# Altium PCB Mynd_BT.PcbDoc (part 1 of 2) (continued)
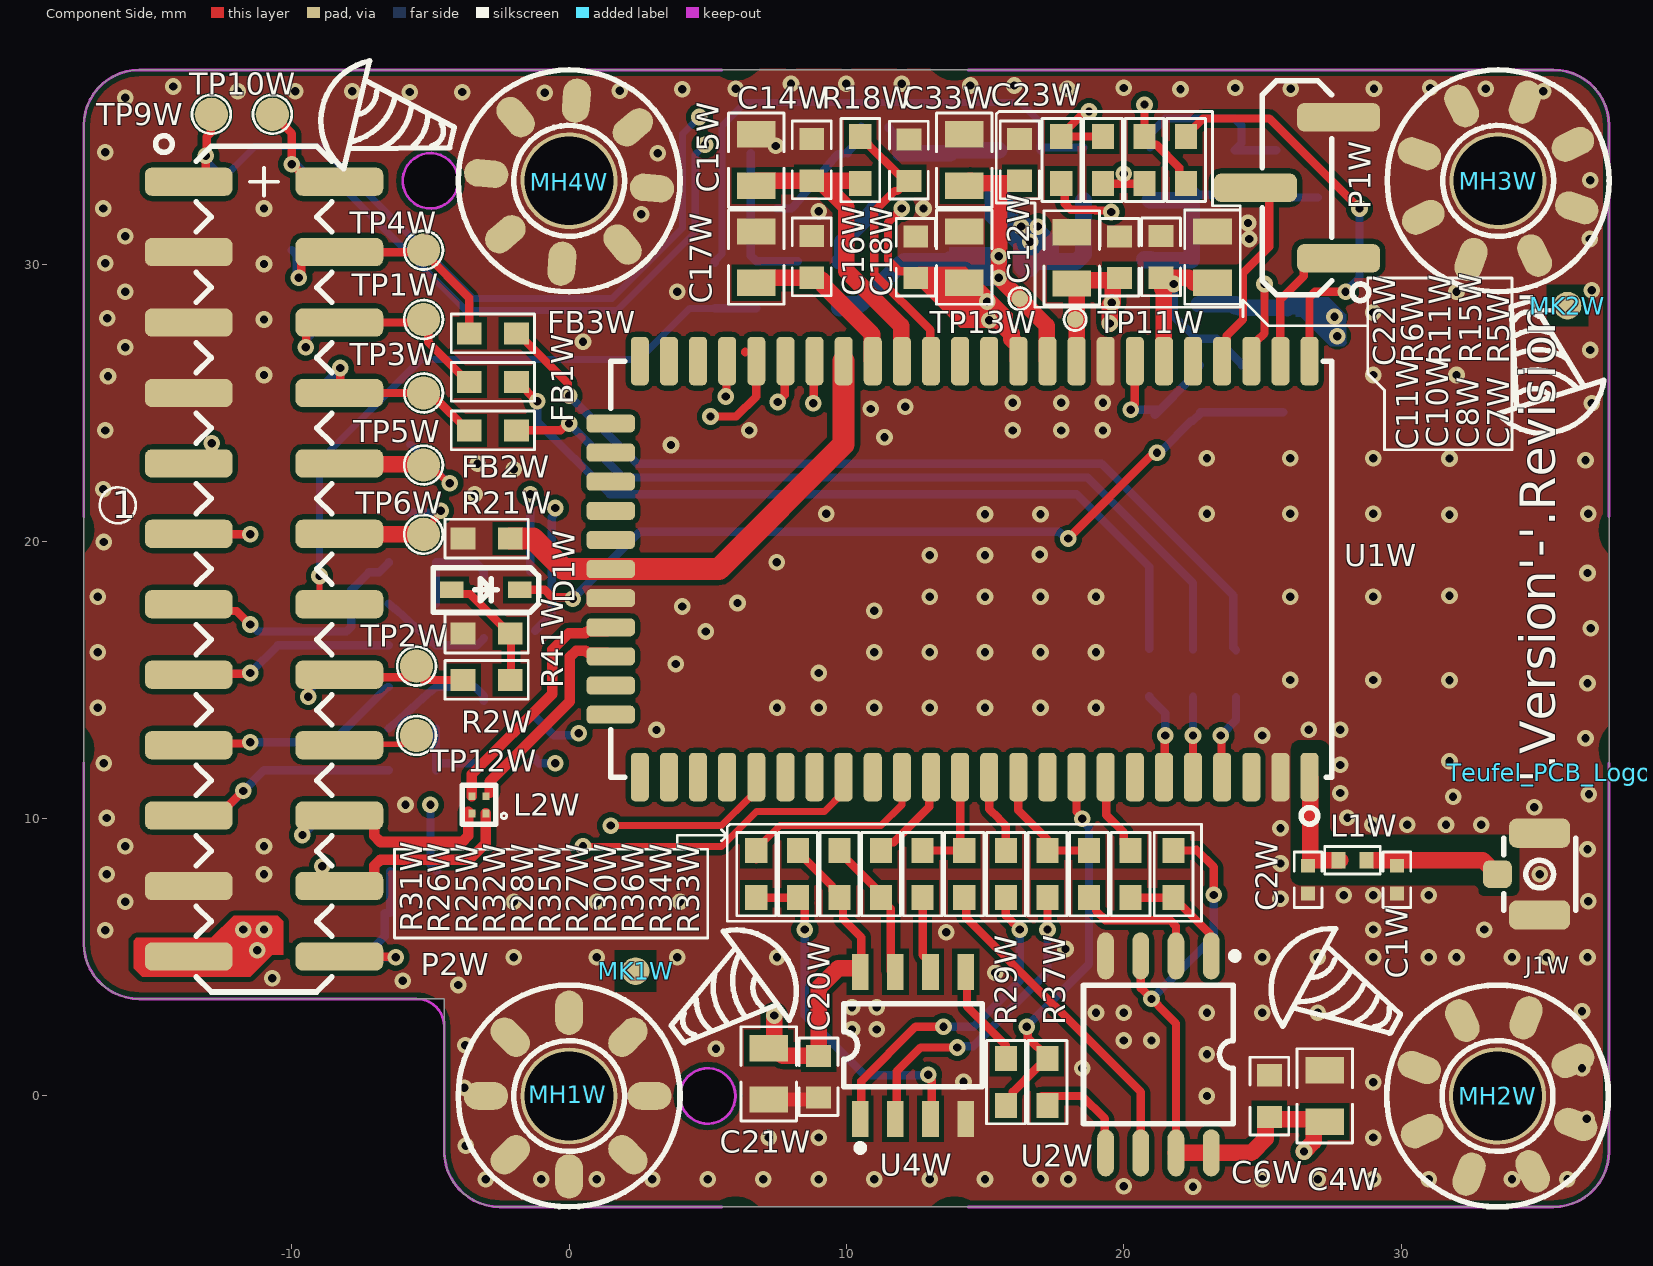
[diagram p0: Component Side view]
## Design rules (kind name [scope] priority, off if disabled: settings) (continued)
HoleSize [All] p1: absolutevalues=TRUE maxlimit=8 minlimit=0.25 maxpercent=80.000 minpercent=20.000
PlaneClearance [All] p1: clearance=0.3
PlaneConnect [All] p1: planeconnectstyle=Relief reliefexpansion=0.508 reliefentries=4 reliefconductorwidth=0.5 reliefairgap=0.254
PolygonConnect [All] p1: connectstyle=Direct reliefconductorwidth=0.5 reliefentries=4 polygonreliefangle="45 Angle" airgapwidth=0.254
PolygonConnect PolygonConnect_direct_stepup [All] p2 off: connectstyle=Direct reliefconductorwidth=0.254 reliefentries=4 polygonreliefangle="90 Angle" airgapwidth=0.254 // Protel DXP Scope 1 Expression Was: (InNet('NETC548_1') AND IsNamedPolygon('BOT_STEPUP_L502OUT')) OR (InNet('NetL502_1') AND IsNamedPolygon('BOT_STEPUP_L502IN')) OR     (InNet('NetC504_2') AND IsNamedPolygon('BOT_STEPUP_IN')) OR   (InNet('24V') AND IsNamedPolygon('BOT_STEPUP_24VOUT')) OR (InNet('GND') AND (IsNamedPolygon('BOT_STEPUP_GND') OR                     IsNamedPolygon('BOT_GLOBAL_GND') OR                                    IsNamedPolygon('TOP_GLOBAL_GND')                   ) )
PolygonConnect PolygonConnect_VIA [All] p3 off: connectstyle=Direct reliefconductorwidth=0.2 reliefentries=4 polygonreliefangle="90 Angle" airgapwidth=0.254 // Protel DXP Scope 1 Expression Was: isVia  or HasFootprint('HOLE_3.2_6.0') or  HasFootprint('CAPPR750W80D1600H2500') or HasFootprint('JST_B6P-VH-FB-B') or HasFootprint('JST_B2P-VH-FB-B') or HasFootprint('TE_1734366-3')
PolygonConnect PolygonConnect_direct [All] p4 off: connectstyle=Direct reliefconductorwidth=0.254 reliefentries=4 polygonreliefangle="90 Angle" airgapwidth=0.254 // Protel DXP Scope 1 Expression Was: InNet('OUT_A') or InNet('OUT_B') or InNet('OUT_C') or InNet('OUT_D') or InNet('SW1_N') or InNet('SW1_P') or InNet('SW2_N') or InNet('SW2_P') or InNet('NetC500_1') or InNet('NetC500_2') or IsNamedPolygon('BOTTOM_-5V_GND') or IsNamedPolygon('BOTTOM_5V_GND') or IsNamedPolygon('BOTTOM_3V3_GND') or IsNamedPolygon('TOP_24V') or IsNamedPolygon('BOT_5VChg_SW_Node') or ((InNet('41V')) and IsSMTPin)
PolygonConnect PolygonConnect_GND_RC_1 [All] p5 off: connectstyle=Relief reliefconductorwidth=0.5 reliefentries=4 polygonreliefangle="90 Angle" airgapwidth=0.254 // Protel DXP Scope 1 Expression Was: IsNamedPolygon('GND_RC_1')
RoutingVias [All] p1: holewidth=0.3 width=0.7 viastyle="Through Hole" minholewidth=0.25 minwidth=0.5 maxholewidth=6 maxwidth=8
ShortCircuit ShortCircuit_Antenna [InNet('ANTENNA')] p2: allowed=TRUE
SilkToSolderMaskClearance [All] p1 off: minsilkscreentomaskgap=0.254 clearancetoexposedcopper=TRUE // Protel DXP Scope 1 Expression Was: IsPad
SolderMaskExpansion [All] p1: expansion=0.102 istentingtop=FALSE
SupplyNets "Schematic Supply Nets_10" [InNet('BT_SVCC')] p1: voltage=0.000
SupplyNets "Schematic Supply Nets_9" [InNet('VSys')] p2: voltage=0.000
SupplyNets "Schematic Supply Nets_8" [InNet('BT_VBAT')] p3: voltage=0.000
SupplyNets "Schematic Supply Nets_7" [InNet('5V_CCPD')] p4: voltage=0.000
SupplyNets "Schematic Supply Nets_6" [InNet('BT_VBUS')] p5: voltage=0.000
SupplyNets "Schematic Supply Nets_5" [InNet('BT_VCC')] p6: voltage=0.000
SupplyNets "Schematic Supply Nets_4" [InNet('BT_AVCC')] p7: voltage=0.000
SupplyNets "Schematic Supply Nets_3" [InNet('GND')] p8: voltage=0.000
SupplyNets "Schematic Supply Nets_2" [InNet('BT_RTCVDD')] p9: voltage=0.000
SupplyNets "Schematic Supply Nets_1" [InNet('AGND')] p10: voltage=0.000
SupplyNets "Schematic Supply Nets" [InNet('3V3_STB')] p11: voltage=0.000
Width [All] p1: maxlimit=20 minlimit=0.192 preferedwidth=0.2
17 further rules are at their usual default settings.

## Classes and differential pairs
net class I2S_Lines: BT_2_BCLK BT_2_LRCK BT_2_SDAT NetFB1W_2 NetFB2W_2 NetFB3W_2 NetR1W_1 NetR3W_1 NetR4W_1

## Components (designator, comment, footprint, x,y, rotation, side; value= is the part's Value field where it differs from the comment)
C1W "0.5pF" C0402 29.85,7.8 r270 top
C2W "0.5pF" C0402 26.65,7.8 r270 top
C3W "10uF" C0805_145 -2.35,18.75 r180 bottom
C4W "10uF" C0805_145 27.25,0 r270 top
C5W "10uF" C0805_145 -2.35,14.1 r180 bottom
C6W "100nF" C0603X100 25.25,0 r270 top
C7W "10uF" C0805_145 23.2,30.25 r90 top
C8W "100nF" C0603X100 21.35,30.25 r90 top
C10W "100nF" C0603X100 19.85,30.25 r270 top
C11W "10uF" C0805_145 18.125,30.225 r270 top
C12W "10uF" C0805_145 14.25,30.25 r270 top
C14W "100nF" C0603X100 8.75,33.75 r90 top
C15W "10uF" C0805_145 6.75,33.75 r270 top
C16W "100nF" C0603X100 8.75,30.25 r90 top
C17W "10uF" C0805_145 6.75,30.25 r270 top
C18W "100nF" C0603X100 12.5,30.25 r270 top
C19W "100nF" C0603X100 13.55,33.25 r270 bottom
C20W "100nF" C0603X100 9,0.7 r270 top
C21W "10uF" C0805_145 7.2,0.8 r270 top
C22W "100nF" C0603X100 16.25,33.75 r90 top
C23W "10uF" C0805_145 14.25,33.75 r90 top
C24W "10uF" C0805_145 18.25,29.25 r270 bottom
C25W "100nF" C0603X100 16.45,29.12 r90 bottom
C26W "10uF" C0805_145 20.75,29.25 r270 bottom
C27W "100nF" C0603X100 22.5,33.25 r270 bottom
C28W "10uF" C0805_145 26.2,29.325 r90 bottom
C29W "100nF" C0603X100 24.2,29.2 r270 bottom
C30W "10uF" C0805_145 13.75,29.25 r90 bottom
C31W "100nF" C0603X100 12,29.25 r90 bottom
C32W "100pF" C0603X80 21.25,25.5 r270 bottom
C33W "1nF" C0603X100 12.25,33.75 r270 top
C34W "10uF" C0805_145 -2.35,16.35 r180 bottom
C35W "10uF" C0805_145 -2.35,11.85 r180 bottom
D1W "1N4148" SOD-323 -3,18.25 r180 top
FB1W "0R" R0603 -2.75,25.75 r0 top
FB2W "0R" R0603 -2.75,24 r0 top
FB3W "0R" R0603 -2.75,27.5 r0 top
FB4W "600R" L0603 22.7,29.4 r270 bottom
FB5W "600R" L0603 9.75,29.25 r270 bottom
J1W "9181-000030" "I-PEX MHF" 35,8 r270 top
L1W "0R" R0402 28.25,8.5 r180 top
L2W "90R" COM_CHOKE_SMD_ICMF062P -3.25,10.5 r180 top
MH1W "SCREW_HOLE" SCREW_D32#1 0,0 r0 top
MH2W "SCREW_HOLE" SCREW_D32#2 33.479,0 r115 top locked
MH3W "SCREW_HOLE" SCREW_D32#2 33.5,33 r251 top
MH4W "SCREW_HOLE" SCREW_D32#3 0,33 r130 top locked
MK1W "MARK" MARK 2.4,4.5 r90 top
MK2W "MARK" MARK 36,28.5 r90 top
P1W "Header 3P PITCH=2.54mm SMT" Pin_Header_SMD_S_T_254_3P 26.25,32.75 r90 top value="Header 3P PITCH=2.54mm SMT"
P2W "Connector 2 x 12P 2.54mm SMT" Pin_Header_SMD_2X12_254 -11.001,19 r270 top locked
Q3W "CJ3401" SOT23-GSD 11,33 r0 bottom
Q4W "2N7002K" SOT23-GSD 7.5,33 r0 bottom
R1W "33R" R0603 20.925,15.275 r90 bottom
R2W "10k" R0603 -2.972,15.002 r180 top
R3W "33R" R0603 22.5,15.25 r90 bottom
R4W "33R" R0603 24.05,15.225 r90 bottom
R5W "0R" R0603 22.251,33.75 r90 top
R6W "0R" R0603 17.749,33.75 r270 top
R7W "3.3k" R0603 -5.699,19.098 r180 bottom
R8W "6.8k" R0603 -5.7,13.102 r180 bottom
R9W "0R" R0603 -5.7,16.1 r180 bottom
R10W "100k" R0603 -5.6,8.1 r180 bottom
R11W "10k" R0603 19.25,33.75 r90 top
R12W "3.3k" R0603 -5.7,14.6 r180 bottom
R13W "10k" R0603 -5.6,6.6 r0 bottom
R14W "6.8k" R0603 -5.7,17.603 r0 bottom
R15W "10k" R0603 20.75,33.75 r90 top
R16W "0R" R0603 -5.7,11.6 r180 bottom
R18W "33k" R0603 10.502,33.749 r90 top
R19W "47k" R0603 17,33.25 r270 bottom
R20W "1k" R0603 5.25,29.25 r270 bottom
R21W "0R" R0603 -2.972,20.1 r0 top
R22W "2.2R" R0805 15.3,33.25 r270 bottom
R23W "1k" R0603 6.75,29.25 r90 bottom
R24W "47k" R0603 8.25,29.25 r270 bottom
R25W "10k" R0603 9.75,8 r90 top
R26W "10k" R0603 8.25,8 r270 top
R27W "33R" R0603 15.75,8 r270 top
R28W "33R" R0603 12.75,8 r270 top
R29W "33R" R0603 15.75,0.5 r90 top
R30W "33R" R0603 17.25,8 r270 top
R31W "33R" R0603 6.75,8 r270 top
R32W "33R" R0603 11.25,8 r270 top
R33W "10k" R0603 21.8,8 r270 top
R34W "33R" R0603 20.25,8 r270 top
R35W "33R" R0603 14.25,8 r270 top
R36W "33R" R0603 18.75,8 r270 top
R37W "33R" R0603 17.25,0.5 r270 top
R38W "1M" R0603 24.25,25.5 r270 bottom
R39W "1k" R0603 22.75,25.5 r90 bottom
R40W "560k" R0603 25.75,25.5 r90 bottom
R41W "47k" R0603 -2.972,16.677 r180 top
R42W "680k" R0603 24,33.25 r90 bottom
R43W "150k" R0603 25.5,33.25 r90 bottom
R44W "20k" R0603 27,33.25 r270 bottom
R45W "100k" R0402 11.03,35.1 r180 bottom
Teufel_ASM_Label1W "=Comment/Name" Teufel_ASM_Rev 17.83,-0.336 r180 bottom
Teufel_Copyright1W "=Comment/Name" TEUFEL_COPYRIGHT 31.725,-6.125 r180 bottom
Teufel_PCB_Label1W "=Comment/Name" Teufel_PCB_Rev 18,-2.425 r180 bottom
Teufel_PCB_Logo1W "T.3.0.0040-3.1" Teufel_NoLogo 36.05,11.675 r90 top
TP1W "TP12" TP120 -5.25,28 r90 top
TP2W "TP12" TP120 -5.5,15.5 r270 top
TP3W "TP12" TP120 -5.25,25.35 r180 top
TP4W "TP12" TP120 -5.25,30.5 r0 top
TP5W "TP12" TP120 -5.25,22.75 r270 top
TP6W "TP12" TP120 -5.25,20.253 r270 top
TP7W "TP12" TP120 -7.25,5.015 r90 bottom
TP9W "TP12" TP120 -12.9,35.4 r0 top
TP10W "TP12" TP120 -10.7,35.4 r0 top
TP11W "TP06" TP060 18.25,28 r180 top
TP12W "TP12" TP120 -5.5,13 r90 top
TP13W "TP06" TP060 16.25,28.75 r180 top
TP14W "TP12" TP120 -9,33 r90 bottom
TP15W "TP12" TP120 -10,30.5 r90 bottom
TP16W "TP12" TP120 -9,28 r90 bottom
TP17W "TP12" TP120 -8.5,25.5 r90 bottom
TP18W "TP12" TP120 -5.75,23.5 r90 bottom
TP19W "TP12" TP120 -5.75,21 r90 bottom
TP20W "TP12" TP120 -9,18 r90 bottom
TP21W "TP12" TP120 -9,15.25 r90 bottom
TP22W "TP12" TP120 -9,10.25 r90 bottom
TP23W "TP12" TP120 -9,7.5 r90 bottom
TP25W "TP12" TP120 -12.59,32.97 r90 bottom
TP26W "TP12" TP120 -13.59,30.43 r90 bottom
TP27W "TP12" TP120 -12.59,22.81 r90 bottom
TP28W "TP12" TP120 -12.44,20.27 r90 bottom
TP29W "TP12" TP120 -11.59,17.73 r90 bottom
TP30W "TP12" TP120 -12.59,15.22 r90 bottom
TP31W "TP12" TP120 -11.59,12.712 r90 bottom
TP32W "TP12" TP120 -12.641,10.11 r90 bottom
TP33W "TP12" TP120 -13.59,7.57 r90 bottom
TP34W "TP12" TP120 -12.59,5.03 r90 bottom
U1W "WB-2835P" BT_59P_L260XW150XH26_P105 14.5,19 r270 top locked
U2W "RCI025064-B000" SO_8_200 21.25,1.5 r270 top
U3W "SGM2036-ADJYN5G/TR" SOT23-5 19.75,33.25 r0 bottom
U4W "APS6404L-3SQN" SO-8 12.4,1.825 r90 top

## Footprints (in the part's own frame and the unit in brackets; to place one, negate y for a bottom-side part, rotate by r counter-clockwise, add the part's x,y. Pads: shape width x height; smd on the part's side, far side on the other; paste and mask are expansions set on the pad)
BT_59P_L260XW150XH26_P105 [mm] "BT WB-2835P L=26 W=25 T=2 mm P=1.05mm"
  rrect50% 1.75x0.65 smd: 1(7.5,12.2) 2(7.5,11.15) 3(7.5,10.1) 4(7.5,9.05) 5(7.5,8) 6(7.5,6.95) 7(7.5,5.9) 8(7.5,4.85) 9(7.5,3.8) 10(7.5,2.75) 11(7.5,1.7) 12(7.5,0.65) 13(7.5,-0.4) 14(7.5,-1.45) 15(7.5,-2.5) 16(7.5,-3.55) 17(7.5,-4.6) 18(7.5,-5.65) 19(7.5,-6.7) 20(7.5,-7.75) 21(7.5,-8.8) 22(7.5,-9.85) 23(7.5,-10.9) 24(7.5,-11.95) 36(-7.5,-11.95) 37(-7.5,-10.9) 38(-7.5,-9.85) 39(-7.5,-8.8) 40(-7.5,-7.75) 41(-7.5,-6.7) 42(-7.5,-5.65) 43(-7.5,-4.6) 44(-7.5,-3.55) 45(-7.5,-2.5) 46(-7.5,-1.45) 47(-7.5,-0.4) 48(-7.5,0.65) 49(-7.5,1.7) 50(-7.5,2.75) 51(-7.5,3.8) 52(-7.5,4.85) 53(-7.5,5.9) 54(-7.5,6.95) 55(-7.5,8) 56(-7.5,9.05) 57(-7.5,10.1) 58(-7.5,11.15) 59(-7.5,12.2)
  rrect50% 0.65x1.75 smd: 25(5.25,-13) 26(4.2,-13) 27(3.15,-13) 28(2.1,-13) 29(1.05,-13) 30(0,-13) 31(-1.05,-13) 32(-2.1,-13) 33(-3.15,-13) 34(-4.2,-13) 35(-5.25,-13)
  silkscreen extent -7.5,-13 9.2,13, body extent -7.5,-13 7.5,13, height 2
C0402 [mm] "Chip Capacitor 0402"
  rect 0.5x0.5 smd: 1(-0.5,0) 2(0.5,0)
  silkscreen extent -1,-0.5 1,0.5, body extent -0.5,-0.26 0.5,0.26, height 0.57
C0603X80 [mm] "MLCC CAP 0603 T= 0.8 mm"
  rect 0.8x0.9 smd: 1(-0.745,0) 2(0.755,0)
  silkscreen extent -1.4,-0.7 1.4,0.7, body extent -0.8,-0.4 0.8,0.4, height 0.5
C0603X100 [mm] "MLCC CAP 0603 T= 1.0 mm"
  rect 0.8x0.9 smd: 1(-0.745,0) 2(0.755,0)
  silkscreen extent -1.4,-0.7 1.4,0.7, body extent -0.8,-0.4 0.8,0.4, height 0.8
C0805_145 [mm] "Chip Capacitor 0805, T= 1.45 mm"
  rect 0.95x1.4 smd: 1(-0.925,0) 2(0.925,0)
  silkscreen extent -1.7,-1 1.7,1, body extent -1,-0.62 1,0.63, height 1.45
COM_CHOKE_SMD_ICMF062P [mm] "COMMON CHOKE 0.87¢ª0.67¢ª0.50mm, TSA: ICMF062P"
  rect 0.25x0.275 smd: 1(-0.25,0.312) 2(0.25,0.312) 3(-0.25,-0.312) 4(0.25,-0.312)
  silkscreen extent -1,-0.7 0.6,0.7, body extent -0.43,-0.33 0.44,0.34, height 0.51
"I-PEX MHF" [mm] "I-PEX MHF Receptacle"
  rrect50% 1x1.05 smd: 1(0,-1.525)
  rrect50% 1.05x2.2 smd: 2(-1.475,0) 2(1.475,0)
  silkscreen extent -1.3,-1.3 1.3,1.3, body extent -1.5,-1.55 1.5,1.55, height 1.25
L0603 [mm] "Chip Inductor 0603"
  rect 0.9x0.8 smd: 1(-0.85,0) 2(0.85,0)
  silkscreen extent -1.6,-0.7 1.6,0.7, body extent -0.8,-0.4 0.8,0.4, height 1
MARK [mm] "MARK DOT 1mm"
  rect 1.5x1.5 on Top Solder: 0(0,0)
  rect 1.5x1.5 on Bottom Solder: 1(0,0)
  round 1 smd far side mask+0: MK_B(0,0)
  round 1 smd mask+0: MKT(0,0)
  Component Side pour cut-out: -0.75,-0.75 0.75,-0.75 0.75,0.75 -0.75,0.75
  Solder Side pour cut-out: -0.75,-0.75 0.75,-0.75 0.75,0.75 -0.75,0.75
Pin_Header_SMD_2X12_254 [mm] "Pin header  SMD  dual row   2.54mm  24pin"
  rrect50% 1.02x3.17 smd: 1(-13.97,-2.715) 2(-13.97,2.715) 3(-11.43,-2.715) 4(-11.43,2.715) 5(-8.89,-2.715) 6(-8.89,2.715) 7(-6.35,-2.715) 8(-6.35,2.715) 9(-3.81,-2.715) 10(-3.81,2.715) 11(-1.27,-2.715) 12(-1.27,2.715) 13(1.27,-2.715) 14(1.27,2.715) 15(3.81,-2.715) 16(3.81,2.715) 17(6.35,-2.715) 18(6.35,2.715) 19(8.89,-2.715) 20(8.89,2.715) 21(11.43,-2.715) 22(11.43,2.715) 23(13.97,-2.715) 24(13.97,2.715)
  silkscreen extent -15.63,-3.91 15.25,2.45, body extent -15.24,-3.75 15.24,3.75, height 9.61
Pin_Header_SMD_S_T_254_3P [mm] "Pin header  SMD  singlel row   2.54mm  xxpin"
  rrect50% 1.02x3 smd: 1(-2.54,-1.5) 2(0,1.5) 3(2.54,-1.5)
  silkscreen extent -4.07,-2.59 3.86,1.25, body extent -3.81,-2.5 3.81,2.5, height 9.84
R0402 [mm] "Chip Resistor 0402"
  rect 0.5x0.6 smd: 1(-0.5,0) 2(0.5,0)
  silkscreen extent -1,-0.5 1,0.5, body extent -0.5,-0.25 0.5,0.25, height 0.3
R0603 [mm] "Chip Resistor 0603"
  rect 0.9x0.8 smd: 1(-0.85,0) 2(0.85,0)
  silkscreen extent -1.5,-0.7 1.5,0.7, body extent -0.8,-0.4 0.8,0.4, height 0.3
R0805 [mm] "Chip Resistor 0805"
  rect 0.9x1.2 smd: 1(-1.05,0) 2(1.05,0)
  silkscreen extent -1.8,-0.9 1.8,0.9, body extent -1,-0.6 1,0.6, height 0.7
SCREW_D32#1 [mm] "Screw hole D = 3.2mm"
  oval 1.6x1 smd: 1(-3,0) 1(2.9,0)
  oval 1.6x1 smd far side: 1(-3,0) 1(2.9,0)
  oval 1x1.6 smd rot 45: 1(-2.121,2.121) 1(2.121,-2.121)
  oval 1x1.6 smd far side rot 45: 1(-2.121,2.121) 1(2.121,-2.121)
  oval 1x1.6 smd rot 135: 1(-2.121,-2.121) 1(2.121,2.121)
  oval 1x1.6 smd far side rot 135: 1(-2.121,-2.121) 1(2.121,2.121)
  oval 1x1.6 smd: 1(0,3) 1(0,-2.9)
  oval 1x1.6 smd far side: 1(0,3) 1(0,-2.9)
  round 3.5 hole 3.2: 1(0,0)
  silkscreen extent -4,-4 8.19,5.99
SCREW_D32#2 [mm] "Screw hole D = 3.2mm"
  oval 1.6x1 smd: 1(-3,0) 1(3,0)
  oval 1.6x1 smd far side: 1(-3,0) 1(3,0)
  oval 1x1.6 smd rot 45: 1(-2.121,2.121) 1(2.121,-2.121)
  oval 1x1.6 smd far side rot 45: 1(-2.121,2.121) 1(2.121,-2.121)
  oval 1x1.6 smd rot 135: 1(-2.121,-2.121) 1(2.121,2.121)
  oval 1x1.6 smd far side rot 135: 1(-2.121,-2.121) 1(2.121,2.121)
  oval 1x1.6 smd: 1(0,3) 1(0,-3)
  oval 1x1.6 smd far side: 1(0,3) 1(0,-3)
  round 3.5 hole 3.2: 1(0,0)
  silkscreen extent -4,-4 8.19,5.99
SCREW_D32#3 [mm] "Screw hole D = 3.2mm"
  oval 1.6x1 smd: 1(-3,0) 1(3,0)
  oval 1.6x1 smd far side: 1(-3,0) 1(3,0)
  oval 1x1.6 smd rot 135: 1(-2.121,-2.121) 1(2.121,2.121)
  oval 1x1.6 smd far side rot 135: 1(-2.121,-2.121) 1(2.121,2.121)
  oval 1x1.6 smd rot 45: 1(-2.121,2.121) 1(2.045,-2.057)
  oval 1x1.6 smd far side rot 45: 1(-2.121,2.121) 1(2.045,-2.057)
  oval 1x1.6 smd: 1(0,-3) 1(0,3)
  oval 1x1.6 smd far side: 1(0,-3) 1(0,3)
  round 3.5 hole 3.2: 1(0,0)
  silkscreen extent -4,-4 8.19,5.99
SO-8 [mm] "8 leads; 1.27 mm pitch; 4.9 mm x 3.9 mm x 1.75 mm body"
  rect 1.3x0.6 smd: 1(-2.65,1.905) 2(-2.65,0.635) 3(-2.65,-0.635) 4(-2.65,-1.905) 5(2.65,-1.905) 6(2.65,-0.635) 7(2.65,0.635) 8(2.65,1.905)
  silkscreen extent -3.82,-2.5 1.5,2.5, body extent -3,-2.45 3,2.45, height 1.63
SO_8_200 [mm] "8 leads; 1.27 mm pitch; 5.275 mm x 5.275 mm x 2.2 mm body"
  oval 1.7x0.6 smd: 1(-3.55,1.905) 2(-3.55,0.635) 3(-3.55,-0.635) 4(-3.55,-1.905) 5(3.55,-1.905) 6(3.55,-0.635) 7(3.55,0.635) 8(3.55,1.905)
  silkscreen extent -3.67,-2.7 2.5,2.88, body extent -3.95,-2.7 3.95,2.7, height 2.2
SOD-323 [mm] "2 terminals; 1.7 mm x 1.25  mm x 0.95 mm"
  rect 0.85x0.6 smd: A(1.225,0) K(-1.225,0)
  silkscreen extent -1.9,-0.8 1.9,0.8, body extent -1.35,-0.62 1.35,0.62, height 1.1
SOT23-5 [mm] "3 terminals; 1.9 mm pitch; 2.9 mm x 1.3 mm x 1 mm"
  rect 0.8x0.55 smd: 1(-1.2,0.95) 2(-1.2,0) 3(-1.2,-0.95) 4(1.2,-0.95) 5(1.2,0.95)
  silkscreen extent -0.6,-1.4 0.6,1.4, body extent -1.5,-1.5 1.5,1.5, height 1.45
SOT23-GSD [mm] "3 terminals; 1.9 mm pitch; 2.9 mm x 1.3 mm x 1 mm"
  rect 0.8x0.9 smd: D(0,1) G(-0.95,-1) S(0.95,-1)
  silkscreen extent -1.5,-0.3 1.5,0.3, body extent -1.5,-1.32 1.5,1.32, height 1.08
Teufel_ASM_Rev [mm]
TEUFEL_COPYRIGHT [mm]
Teufel_NoLogo [mm] "Teufel NoLogo"
Teufel_PCB_Rev [mm]
TP060 [mm] "TEST PAD 0.6mm"
  round 0.6 smd: 1(0,0)
  silkscreen extent -0.4,-0.4 0.4,0.4
TP120 [mm] "TEST PAD 1.2mm"
  round 1.2 smd: 1(0,0)
  silkscreen extent -0.7,-0.7 0.7,0.7

## Part data
C1W C2W: library part P-001-0057-31, "GP SMD M CAP 0.5pF 50V ±0.1pF 0402 NPO", Manufacturer="Multi Sourced", Temp_Coefficient=NPO, Tolerance=±0.1pF, Voltage=50V, Part_Number=Generic, Part_Type="Capacitor SMT"
C3W C4W C5W C7W C11W C12W C15W C17W C21W C23W C30W C34W C35W: library part P-001-0158-27, "PSHF SMD M CAP 10uF 16V ±10% 0805 X7R", Manufacturer="Multi Sourced", Temp_Coefficient=X7R, Tolerance="±10% 0805", Voltage=16V, Part_Number=Generic, Part_Type="Capacitor SMT"
C6W C8W C10W C14W C16W C18W C19W C20W C22W C27W C29W C31W: library part P-001-0038-26, "PSHF SMD M CAP 100nF 16V ±10%  0603 X7R", Manufacturer="Multi Sourced", Temp_Coefficient=X7R, Tolerance=±10%, Voltage=16V, Part_Number=Generic, Part_Type="Capacitor SMT"
C24W C26W C28W: library part P-001-0136-18, "PSHF SMD M CAP 10uF 16V ±10% 0805 0805 X5R", Manufacturer="Multi Sourced", Temp_Coefficient=X5R, Tolerance="±10% 0805", Voltage=16V, Part_Number=Generic, Part_Type="Capacitor SMT"
C25W: library part P-001-0074-61, "PSHF SMD M CAP 100nF 50V ±10% 0603 X7R", Manufacturer="Multi Sourced", Temp_Coefficient=X7R, Tolerance=±10%, Voltage=50V, Part_Number=Generic, Part_Type="Capacitor SMT"
C32W: library part P-001-0637-10, "PSHF SMD M CAP 100pF 50V ±10% 0603 X7R", Manufacturer="Multi Sourced", Temp_Coefficient=X7R, Tolerance=±10%, Voltage=50V, Part_Number=Generic, Part_Type="Capacitor SMT"
C33W: library part P-001-0073-48, "PSHF SMD M CAP 1nF 50V ±10% 0603 X7R", Manufacturer="Multi Sourced", Temp_Coefficient=X7R, Tolerance=±10%, Voltage=50V, Part_Number=Generic, Part_Type="Capacitor SMT"
D1W: library part R-001-0139-19, "PS SMD DIODE 2P 100V SOD323 1N4148 CJ", Current=150mA, Manufacturer=[CJ], Voltage=100V, Part_Number=1N4148, Part_Type="Semiconductor Diode SMT"
FB1W FB2W FB3W: library part Q-001-0048-204, "GPHF SMD RES. 0OHM 1/10W 5% 0603", Manufacturer="Multi Sourced", Tolerance=5%, Part_Number=Generic, Part_Type="Resistor SMT", Wattage=1/10W
FB4W FB5W: library part S-001-0006-21, "PS SMD FERRITE BEAD 600OHM 25% 0603", Current=0.5A, Frequency=100MHz, Manufacturer=[TSA], Tolerance=1:25%, Part_Number=FCM1608KF-601T05, Part_Type="Ferrite Bead SMT"
J1W: library part C-001-0134-11, "SMD ANTENNA JACK 2P FEMALE", Manufacturer=[SONGCHENG], Part_Number=9181-000030, Part_Type="Connector U.FL SMT", System=Connector
L1W: library part Q-001-0330-113, "GPHF SMD RES. 0OHM 1/16W 5% 0402", Manufacturer="Multi Sourced", Tolerance=5%, Part_Number=Generic, Part_Type="Resistor SMT", Wattage=1/16W
L2W: library part J-001-0121-2, "FILTER ICMF062P900MFR 100MHz 4P 90ohm", Frequency=100MHz, Manufacturer=TSA, Part_Number=ICMF062P900MFR, Part_Type="Inductor Common Mode SMT"
MH1W MH2W MH3W MH4W: library part N-001-00005-4, "SCREW_HOLE D3.2mm", Design Item ID=SCREW_HOLE
MK1W MK2W: library part N-001-00003-2, "MARK DOT", Design Item ID=MARK
P1W: library part C-001-0512-9, "GP HEADER PIN 3P P=2.54mm 90° GOLD", Part_Number="Header 3P PITCH=2.54mm SMT", Part_Type="Connector 1 x 3P 2.54mm SMT"
P2W: library part C-001-1094-3, "SMD BTB CONNECTOR 24P P2.54mm GOLD", Manufacturer=MINGHENG, Part_Number="Connector 2 x 12P 2.54mm SMT", Part_Type="Connector 2 x12P 2.54mm SMT", System=Connector
Q3W: library part R-001-1323-4, "GS SMD FET 3P -30V SOT-23 CJ3401 CJ", Current=-4.2V, Manufacturer=[CJ], Voltage=-30V, Part_Number=CJ3401, Part_Type="Semiconductor Transistor SMT"
Q4W: library part R-001-0217-29, "GP SMD FET 3P SOT23 2N7002K CTE", Current=300MA, Manufacturer=CTE, Voltage=60V, Part_Number=2N7002K, Part_Type="Semiconductor Transistor SMT"
R1W R3W R4W R27W R28W R29W R30W R31W R32W R34W R35W R36W R37W: library part Q-001-0059-28, "PS SMD RES. 33OHM 1/10W 5% 0603", Manufacturer="Multi Sourced", Tolerance=5%, Part_Number=Generic, Part_Type="Resistor SMT", Wattage=1/10W
R2W R11W R15W R25W R26W R33W: library part Q-001-0036-48, "PS SMD RES. 10KOHM 1/10W 1% 0603", Manufacturer="Multi Sourced", Tolerance=1%, Part_Number=Generic, Part_Type="Resistor SMT", Wattage=1/10W
R5W R6W R9W R16W R21W: library part Q-001-0048-200, "PS SMD RES. 0OHM 1/10W 5% 0603", Manufacturer="Multi Sourced", Tolerance=5%, Part_Number=Generic, Part_Type="Resistor SMT", Wattage=1/10W
R7W R12W: library part Q-001-0389-23, "GPHF SMD RES. 3.3KOHM 1/10W 1% 0603", Manufacturer="Multi Sourced", Tolerance=1%, Part_Number=Generic, Part_Type="Resistor SMT", Wattage=1/10W
R8W R14W: library part Q-001-0483-19, "PS SMD RES. 6.8KOHM 1/10W 1% 0603", Manufacturer="Multi Sourced", Temp_Coefficient=150ppm, Tolerance=1%, Part_Number=Generic, Part_Type="Resistor SMT", Wattage=1/10W
R10W: library part Q-001-0032-56, "GPHF SMD RES. 100KOHM 1/10W 1% 0603", Manufacturer="Multi Sourced", Tolerance=1%, Part_Number=Generic, Part_Type="Resistor SMT", Wattage=1/10W
R13W: library part Q-001-0036-51, "GPHF SMD RES. 10KOHM 1/10W 1% 0603", Manufacturer="Multi Sourced", Tolerance=1%, Part_Number=Generic, Part_Type="Resistor SMT", Wattage=1/10W
R18W: library part Q-001-0388-42, "PS SMD RES. 33KOHM 1/10W 1% 0603", Manufacturer="Multi Sourced", Tolerance=1%, Part_Number=Generic, Part_Type="Resistor SMT", Wattage=1/10W
R19W R24W: library part Q-001-0439-19, "PS SMD RES. 47KOHM 1/10W 1% 0603", Manufacturer="Multi Sourced", Temp_Coefficient=150ppm, Tolerance=1%, Part_Number=Generic, Part_Type="Resistor SMT", Wattage=1/10W
R20W R23W: library part Q-001-0033-26, "PS SMD RES. 1KOHM 1/10W 1% 0603", Manufacturer="Multi Sourced", Temp_Coefficient=150ppm, Tolerance=1%, Part_Number=Generic, Part_Type="Resistor SMT", Wattage=1/10W
R22W: library part Q-001-0681-35, "PS SMD RES. 2.2OHM 1/8W 5% 0805", Manufacturer="Multi Sourced", Tolerance=5%, Part_Number=Generic, Part_Type="Resistor SMT", Wattage=1/8W
R38W: library part Q-001-0044-19, "PS SMD RES. 1MOHM 1/10W 1% 0603", Manufacturer="Multi Sourced", Tolerance=1%, Part_Number=Generic, Part_Type="Resistor SMT", Wattage=1/10W
R39W: library part Q-001-0033-26, "PS SMD RES. 1KOHM 1/10W 1% 0603", Manufacturer="Multi Sourced", Tolerance=1%, Part_Number=Generic, Part_Type="Resistor SMT", Wattage=1/10W
R40W: library part Q-001-0103-19, "PS SMD RES. 560KOHM 1/10W 5% 0603", Manufacturer="Multi Sourced", Tolerance=5%, Part_Number=Generic, Part_Type="Resistor SMT", Wattage=1/10W
R41W: library part Q-001-0439-19, "PS SMD RES. 47KOHM 1/10W 1% 0603", Manufacturer="Multi Sourced", Tolerance=1%, Part_Number=Generic, Part_Type="Resistor SMT", Wattage=1/10W
R42W: library part Q-001-0105-18, "PS SMD RES. 680KOHM 1/10W 5% 0603", Manufacturer="Multi Sourced", Tolerance=5%, Part_Number=Generic, Part_Type="Resistor SMT", Wattage=1/10W
R43W: library part Q-001-0318-20, "PS SMD RES. 150KOHM 1/10W 1% 0603", Manufacturer="Multi Sourced", Tolerance=1%, Part_Number=Generic, Part_Type="Resistor SMT", Wattage=1/10W
R44W: library part Q-001-0323-26, "PS SMD RES. 20KOHM 1/10W 1% 0603", Manufacturer="Multi Sourced", Tolerance=1%, Part_Number=Generic, Part_Type="Resistor SMT", Wattage=1/10W
R45W: library part Q-001-0260-39, "GPHF SMD RES. 100KOHM 1/16W 1% 0402", Manufacturer="Multi Sourced", Tolerance=1%, Part_Number=Generic, Part_Type="Resistor SMT", Wattage=1/16W
Teufel_ASM_Label1W: library part CMP-00088-3, "Teufel_ASM_Rev"
Teufel_Copyright1W: library part CMP-00086-3, "Teufel_Copyright_Year"
Teufel_PCB_Label1W: library part CMP-00087-3, "Teufel_PCB_Label"
Teufel_PCB_Logo1W: library part "Teufel NoLogo", "Teufel PCB NoLogo"
TP1W TP2W TP3W TP4W TP5W TP6W TP9W TP10W TP12W: library part N-001-00010-2, "Test Point", Design Item ID=TP
TP7W TP14W TP15W TP16W TP17W TP18W TP19W TP20W TP21W TP22W TP23W TP25W TP26W TP27W TP28W TP29W TP30W TP31W TP32W TP33W TP34W: library part N-001-00010-1, "Test Point", Design Item ID=TP
TP11W TP13W: library part N-001-00007-3, "Test Point", Design Item ID=TP
U1W: library part W-001-0416-7, "BT MODULE 59P WB-2835P WORLDELITE", Manufacturer=WORLDELITE, Part_Number=WB-2835P, Part_Type="Semiconductor Module BT SMT"
U2W: library part AIC-001-0049-3, "PS SMD IC 8P SOP EN25QH64A EON", Part_Number=RCI025064-B000, Part_Type="Semiconductor Integrated Circuit SMT"
U3W: library part R-001-0433-16, "GP SMD IC 5P SC70 SGM2036-ADJYN5G/TR SGMICRO", Manufacturer=[SGMICRO], Part_Number=SGM2036-ADJYN5G/TR, Part_Type="Semiconductor Integrated Circuit SMT"
U4W: library part CMP-00090-1, "QSPI PSRAM", Manufacturer=APS, Part_Number=APS6404L-3SQN, Part_Type="Semiconductor Integrated Circuit SMT"

## Via types
v1: diameter 0.6, hole 0.3, Component Side to Solder Side, tented both sides, 302 vias

## Nets (pads, with @x,y where several pads share a name; then routed paths per layer and width w, separated by ;. In a path a pad name is that pad's centre, name@x,y a point inside that pad or via, vN(x,y) a via of type N, cw(c..) or ccw(c..) an arc to the next point about the centre after c; other vN are vias at no path point)
3V3_STB: P2W.11 R10W.1 TP28W.1 | length 21.3
  Component Side w0.3: P2W.11@-13.716,20.27 -13.706,20.26 -11.51,20.26 v1(-11.5,20.25)
  Mid Layer 2 w0.3: v1(-11.5,20.25) -6,20.25 -5.057,19.307 -5.057,10.557 v1(-5,10.5)
  Solder Side w0.3: TP28W.1@-12.44,20.27 -12.43,20.26 -11.51,20.26 v1(-11.5,20.25) ; v1(-5,10.5) -5,8.35 R10W.1@-4.75,8.1
5V_CCPD: C24W.1 C25W.2 P2W.23 R22W.2 TP34W.1 U3W.1 | length 56.4
  Component Side w0.6: v1(-11.75,6) v1(-11,6)
  Component Side w1: P2W.23@-13.716,5.03 -13.706,5.04 -11.96,5.04 -11.5,5.5
  Mid Layer 2 w1: v1(-11,6) 1.55,6 5.375,9.825 5.375,14.975 13.5,23.1 13.5,30.995 13.905,31.4 v1@16.2,31.4
  Solder Side w0.6: C25W.2@16.5,30.09 18.29,30.09 18.55,30.35 U3W.1@18.55,32.3
  Solder Side w1: TP34W.1@-12.59,5.03 -12.536,5.03 v1@-11.816,5.75 ; R22W.2@15.6,32.15 15.6,31.705 16.03,31.275 16.3,31.275 16.5,31.075 16.5,30.09 C25W.2@16.5,30.005
  other v1: -11.25,5.25 16.625,30.8 16.3,31.35 16.9,31.35
\BT_RST: P2W.16 R2W.2 TP2W.1 TP21W.1 | length 7.3
  Component Side w0.3: v1(-9.4,14.4) -9.4,14.838 -9.048,15.19 P2W.16@-8.286,15.19 -8.191,15.095 -5.345,15.095 TP2W.1@-5.25,15 ; TP2W.1@-5.249,15.001 R2W.2@-3.823,15.001
  Solder Side w0.3: v1(-9.4,14.4) -9.362,14.438 -9.362,14.645 -9,15.006 TP21W.1@-9,15.25
AGND: R21W.2 U1W.30 U1W.43 | length 17.3
  Component Side w0.8: R21W.2@-2.122,20.1 -1.3,20.1 -0.2,19 U1W.30@1.5,19 5.4,19 9.9,23.5 U1W.43@9.9,26.5
BT_2_BCLK: FB1W.1 P2W.6 TP1W.1 TP16W.1 | length 9
  Component Side w0.3: v1(-9.5,27) -9.483,27.017 -9.483,27.538 -9.131,27.89 P2W.6@-8.286,27.89 -5.289,27.89 -5.078,27.678 -5.078,27.178 -3.65,25.75 FB1W.1@-3.6,25.75
  Solder Side w0.3: v1(-9.5,27) -9.462,27.038 -9.462,27.295 -9,27.756 TP16W.1@-9,28
BT_2_LRCK: FB2W.1 P2W.8 TP3W.1 TP17W.1 | length 7.2
  Component Side w0.3: v1(-8.25,26.25) -8.25,25.386 P2W.8@-8.286,25.35 TP3W.1@-5.25,25.35 -5.078,25.178 -4.827,25.178 -3.65,24 FB2W.1@-3.6,24
  Solder Side w0.3: TP17W.1@-9,25.5 v1(-8.25,26.25)
BT_2_SDAT: FB3W.1 P2W.4 TP4W.1 TP15W.1 | length 9.9
  Component Side w0.3: v1(-9.75,29.5) -9.75,29.554 -9.656,29.648 -9.656,30.078 -9.304,30.43 P2W.4@-8.286,30.43 -5.25,30.43 -3.6,28.78 FB3W.1@-3.6,27.5
  Solder Side w0.3: TP15W.1@-10,30.5 -9.828,30.328 -9.828,29.659 -9.75,29.581 v1(-9.75,29.5)
BT_AVCC: C16W.1 C17W.2 U1W.44 | length 6
  Component Side w0.6: C17W.2@6.75,29.325 6.925,29.5 7.497,29.5 7.501,29.505 C16W.1@9,29.505 ; C16W.1@9.15,29.405 9.15,29.247 10.925,27.472 10.925,26.525 U1W.44@10.95,26.5
BT_Ctrl_Pwr: P2W.14 R20W.2 R23W.1 TP20W.1 | length 24.7
  Component Side w0.2: v1(-9,18.75) -9,18.128 -8.602,17.73 P2W.14@-8.286,17.73
  Solder Side w0.2: TP20W.1@-9,17.75 v1(-9,18.75)
  Solder Side w0.254: v1(-9,18.75) -9,22.9 -5.35,26.55 2.498,26.55 4.348,28.4 R20W.2@5.25,28.4
  Solder Side w0.3: R20W.2@5.25,28.4 R23W.1@6.75,28.4
BT_Ctrl_Vreg: P2W.18 TP12W.1 | length 2.9
  Component Side w0.2: P2W.18@-8.286,12.65 -8.261,12.675 -5.4,12.675 TP12W.1@-5.375,12.7
BT_RTCVDD: C7W.1 C8W.1 R38W.1 U1W.54 | length 8.4
  Component Side w0.6: C8W.1@21.25,29.505 21.35,29.405 21.675,29.405 v1(21.8,29.28) ; 21.4,29.103 21.45,29.053 U1W.54@21.45,26.5 ; C8W.1@21.8,29.505 22.345,29.505 C7W.1@22.525,29.325
  Solder Side w0.3: v1(21.8,29.28) 21.8,28.133 22.627,27.307 23.344,27.307 24.25,26.4 R38W.1@24.25,26.35
BT_SCL: P2W.2 R5W.1 R15W.2 TP10W.1 TP14W.1 | length 45.3
  Component Side w0.3: TP10W.1@-10.7,35.4 -10,34.7 v1(-10,33.6) -9.996,33.6 -9.366,32.97 P2W.2@-8.286,32.97 ; v1(20.75,35.75) 20.75,34.6 20.75,34.559 21,34.309 21.173,34.309 21.999,33.483 21.999,33.15 R5W.1@22.249,32.9
  Mid Layer 2 w0.254: v1(4.9,34.3) 4.9,34.366 5.4,34.866 19.866,34.866 v1(20.75,35.75)
  Solder Side w0.254: TP14W.1@-9,33 -8.86,32.86 -8.26,32.86 -3.723,28.323 1.727,28.323 4.528,31.124 4.528,31.178 4.55,31.2 4.55,33.95 v1(4.9,34.3)
  Solder Side w0.3: v1(-10,33.6) -9.962,33.562 -9.805,33.562 -9.244,33 TP14W.1@-9,33
BT_SDA: P2W.1 R6W.1 R11W.2 TP9W.1 TP25W.1 | length 45.5
  Component Side w0.3: P2W.1@-13.716,32.97 -13.452,32.97 -13.1,33.322 v1(-13.1,33.9) -13.062,33.938 -13.062,34.592 -12.922,34.732 -12.922,35.078 TP9W.1@-12.75,35.25 ; v1(18.75,35.5) 18.712,35.462 18.56,35.462 17.748,34.65 R6W.1@17.748,34.6 R11W.2@19.001,34.6
  Mid Layer 2 w0.254: v1(4.7,35.3) 18.483,35.3 18.683,35.5 v1(18.75,35.5)
  Solder Side w0.254: TP25W.1@-12.59,32.97 -11.32,34.24 -8.957,34.24 -8.093,33.376 -3.474,28.757 1.547,28.757 4.094,31.304 4.094,34.694 v1(4.7,35.3)
  Solder Side w0.3: v1(-13.1,33.9) -13.062,33.862 -13.062,33.685 -12.59,33.214 TP25W.1@-12.59,32.97
BT_SVCC: C14W.1 C15W.2 R18W.1 U1W.45 | length 12.2
  Component Side w0.6: C15W.2@6.5,32.75 6.75,33 9.055,33 10,32.055 10,29.75 11.975,27.775 11.975,26.525 U1W.45@12,26.5 ; C14W.1@8.75,33.005 10.402,33.005 10.502,32.905 R18W.1@10.502,32.899